# KiCad board bitdoglab_smd.kicad_pcb (continued)
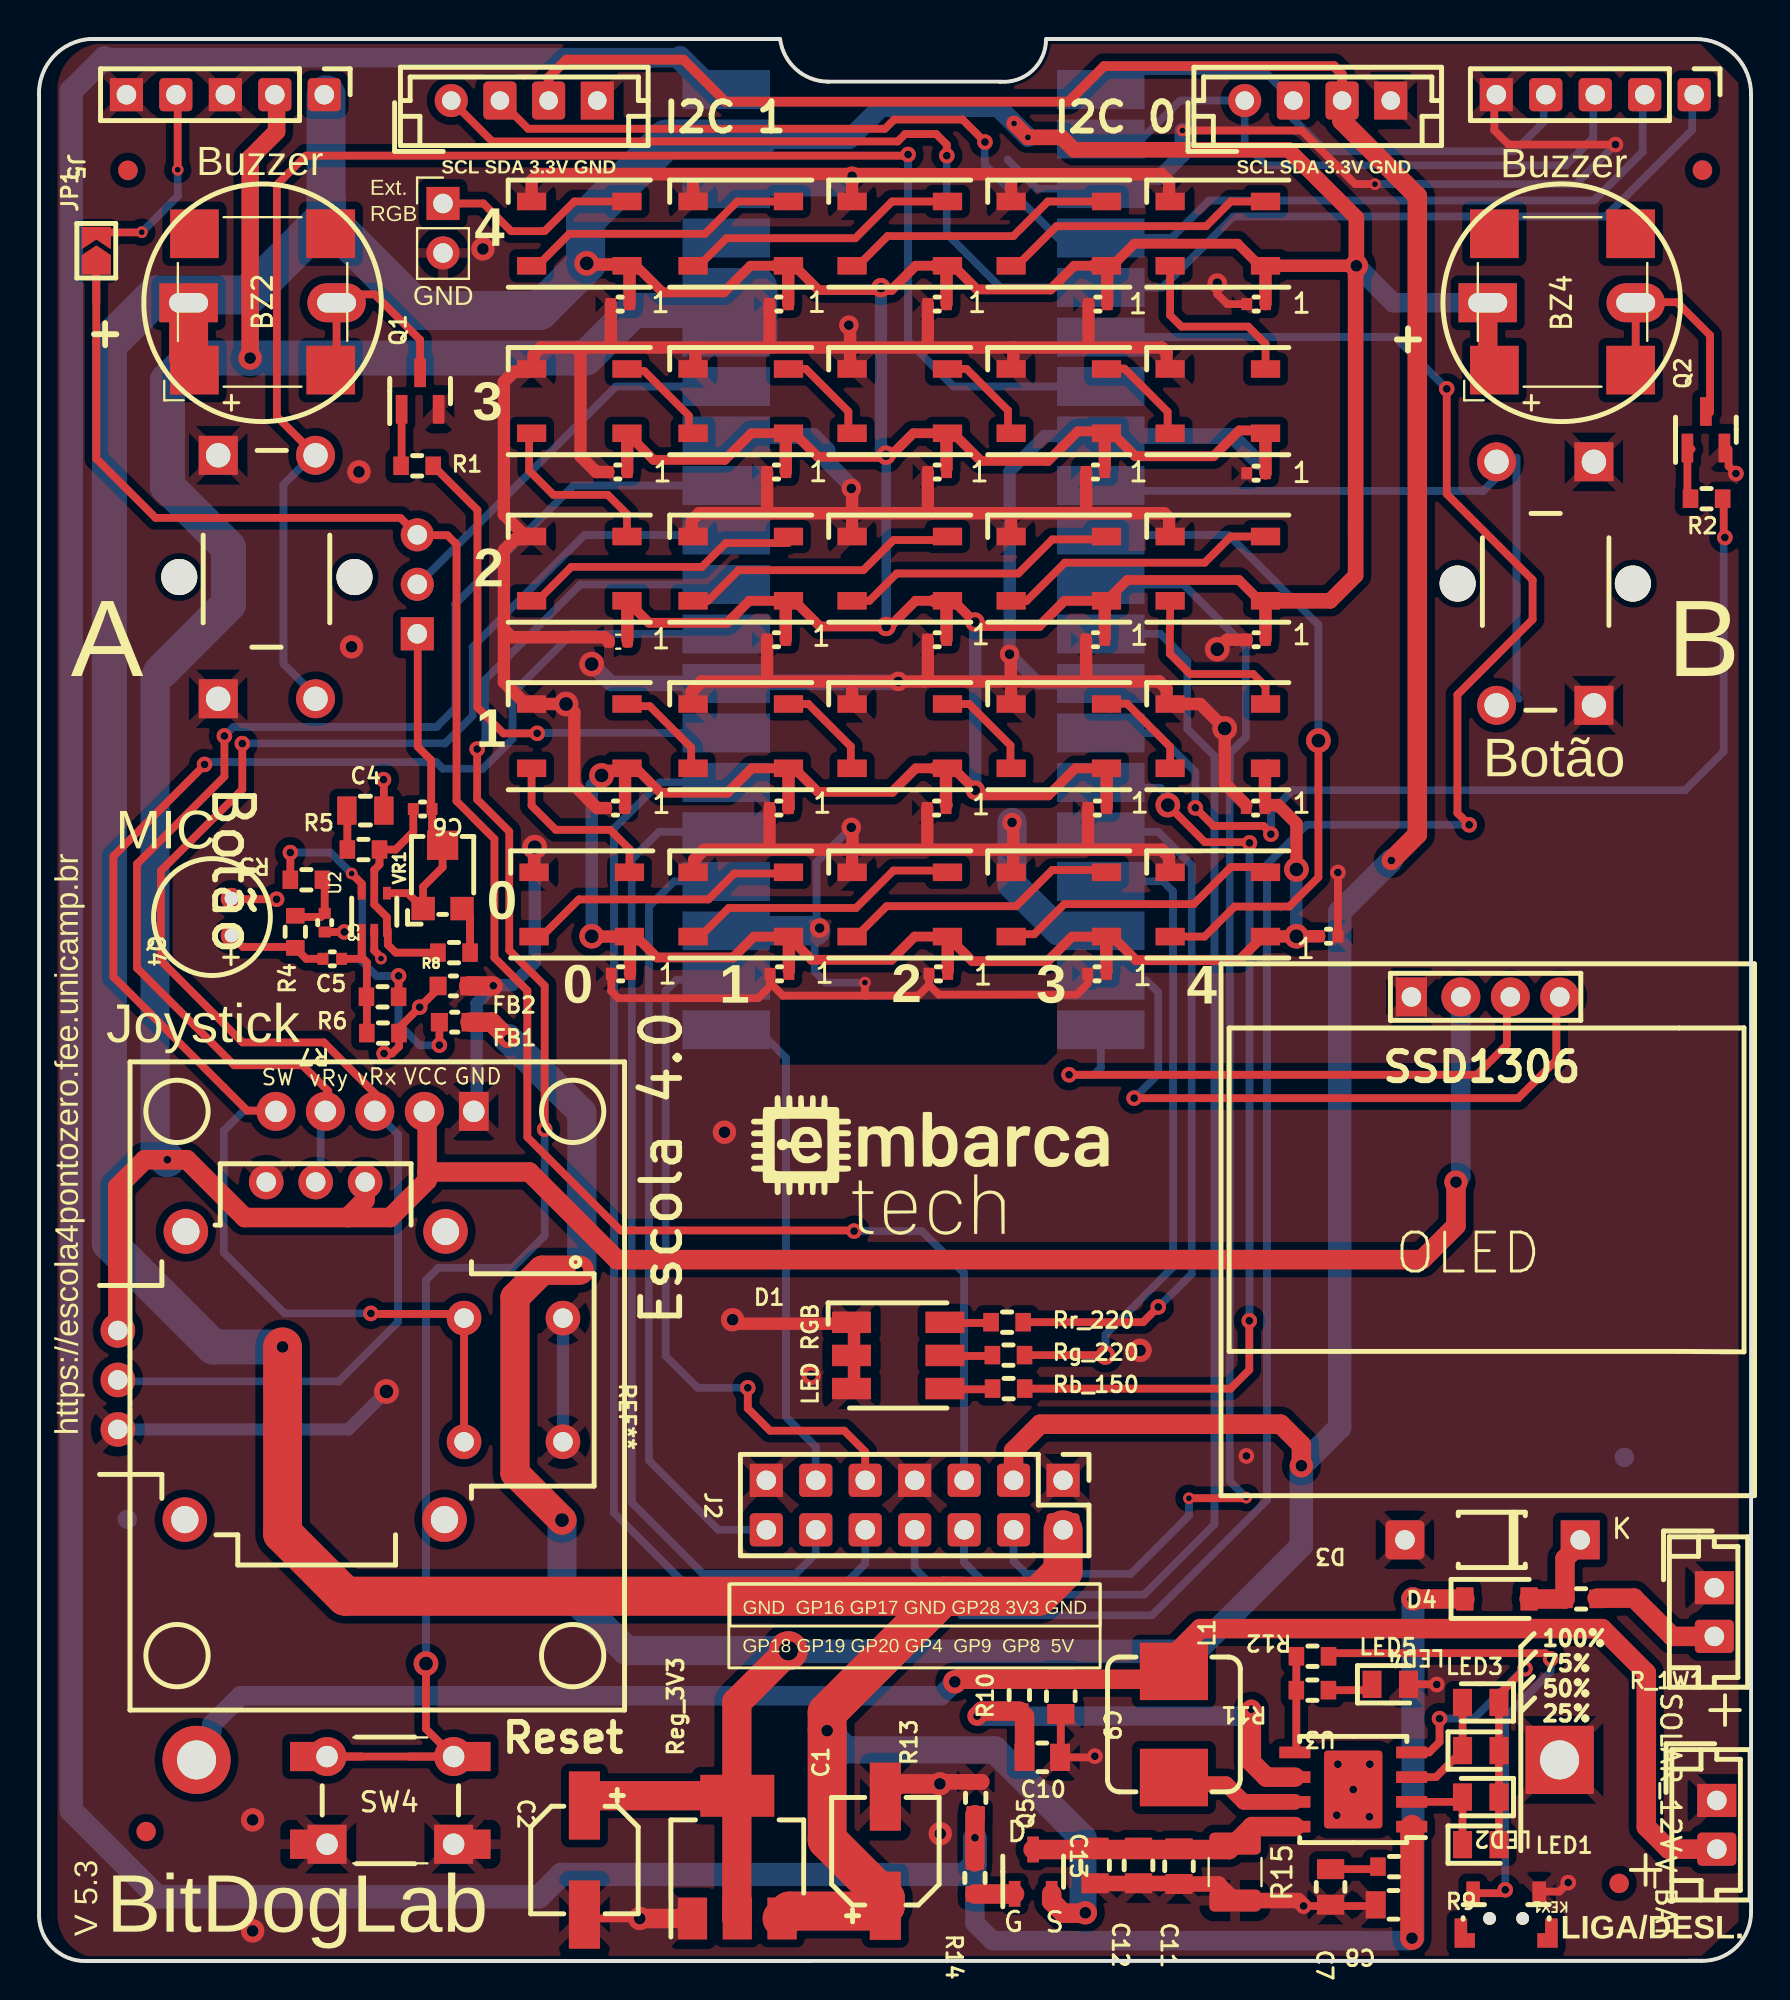
[diagram p0: board, top side]
## Text on the board (continued)
B.Silkscreen: Desenvolvido e / Manufaturado / no Brasil | Bateria Li-ion / 18650    3.7V | Raspberry / PI / pico | + | -
User.Eco1: Copper Keepouts shown on Dwgs layer
F.Silkscreen: LED RGB | 100% / 75% / 50% / 25% | G | D | S | + | I2C 1 | I2C 0 | Escola 4.0 | SCL SDA 3.3V GND | GP18 GP19 GP20 GP4  GP9  GP8  5V | GND  GP16 GP17 GND GP28 3V3 GND | Ext. / RGB | GND | https://escola4pontozero.fee.unicamp.br | V 5.3 | LIGA/DESL. | Buzzer | Joystick | MIC | Botão | 3 | 2 | 4 | 1 | 0 | BitDogLab | A | B
